# EAGLE board ControlModule-pan2 (EAGLE 7.2.0), part 3 of 9 (continued)
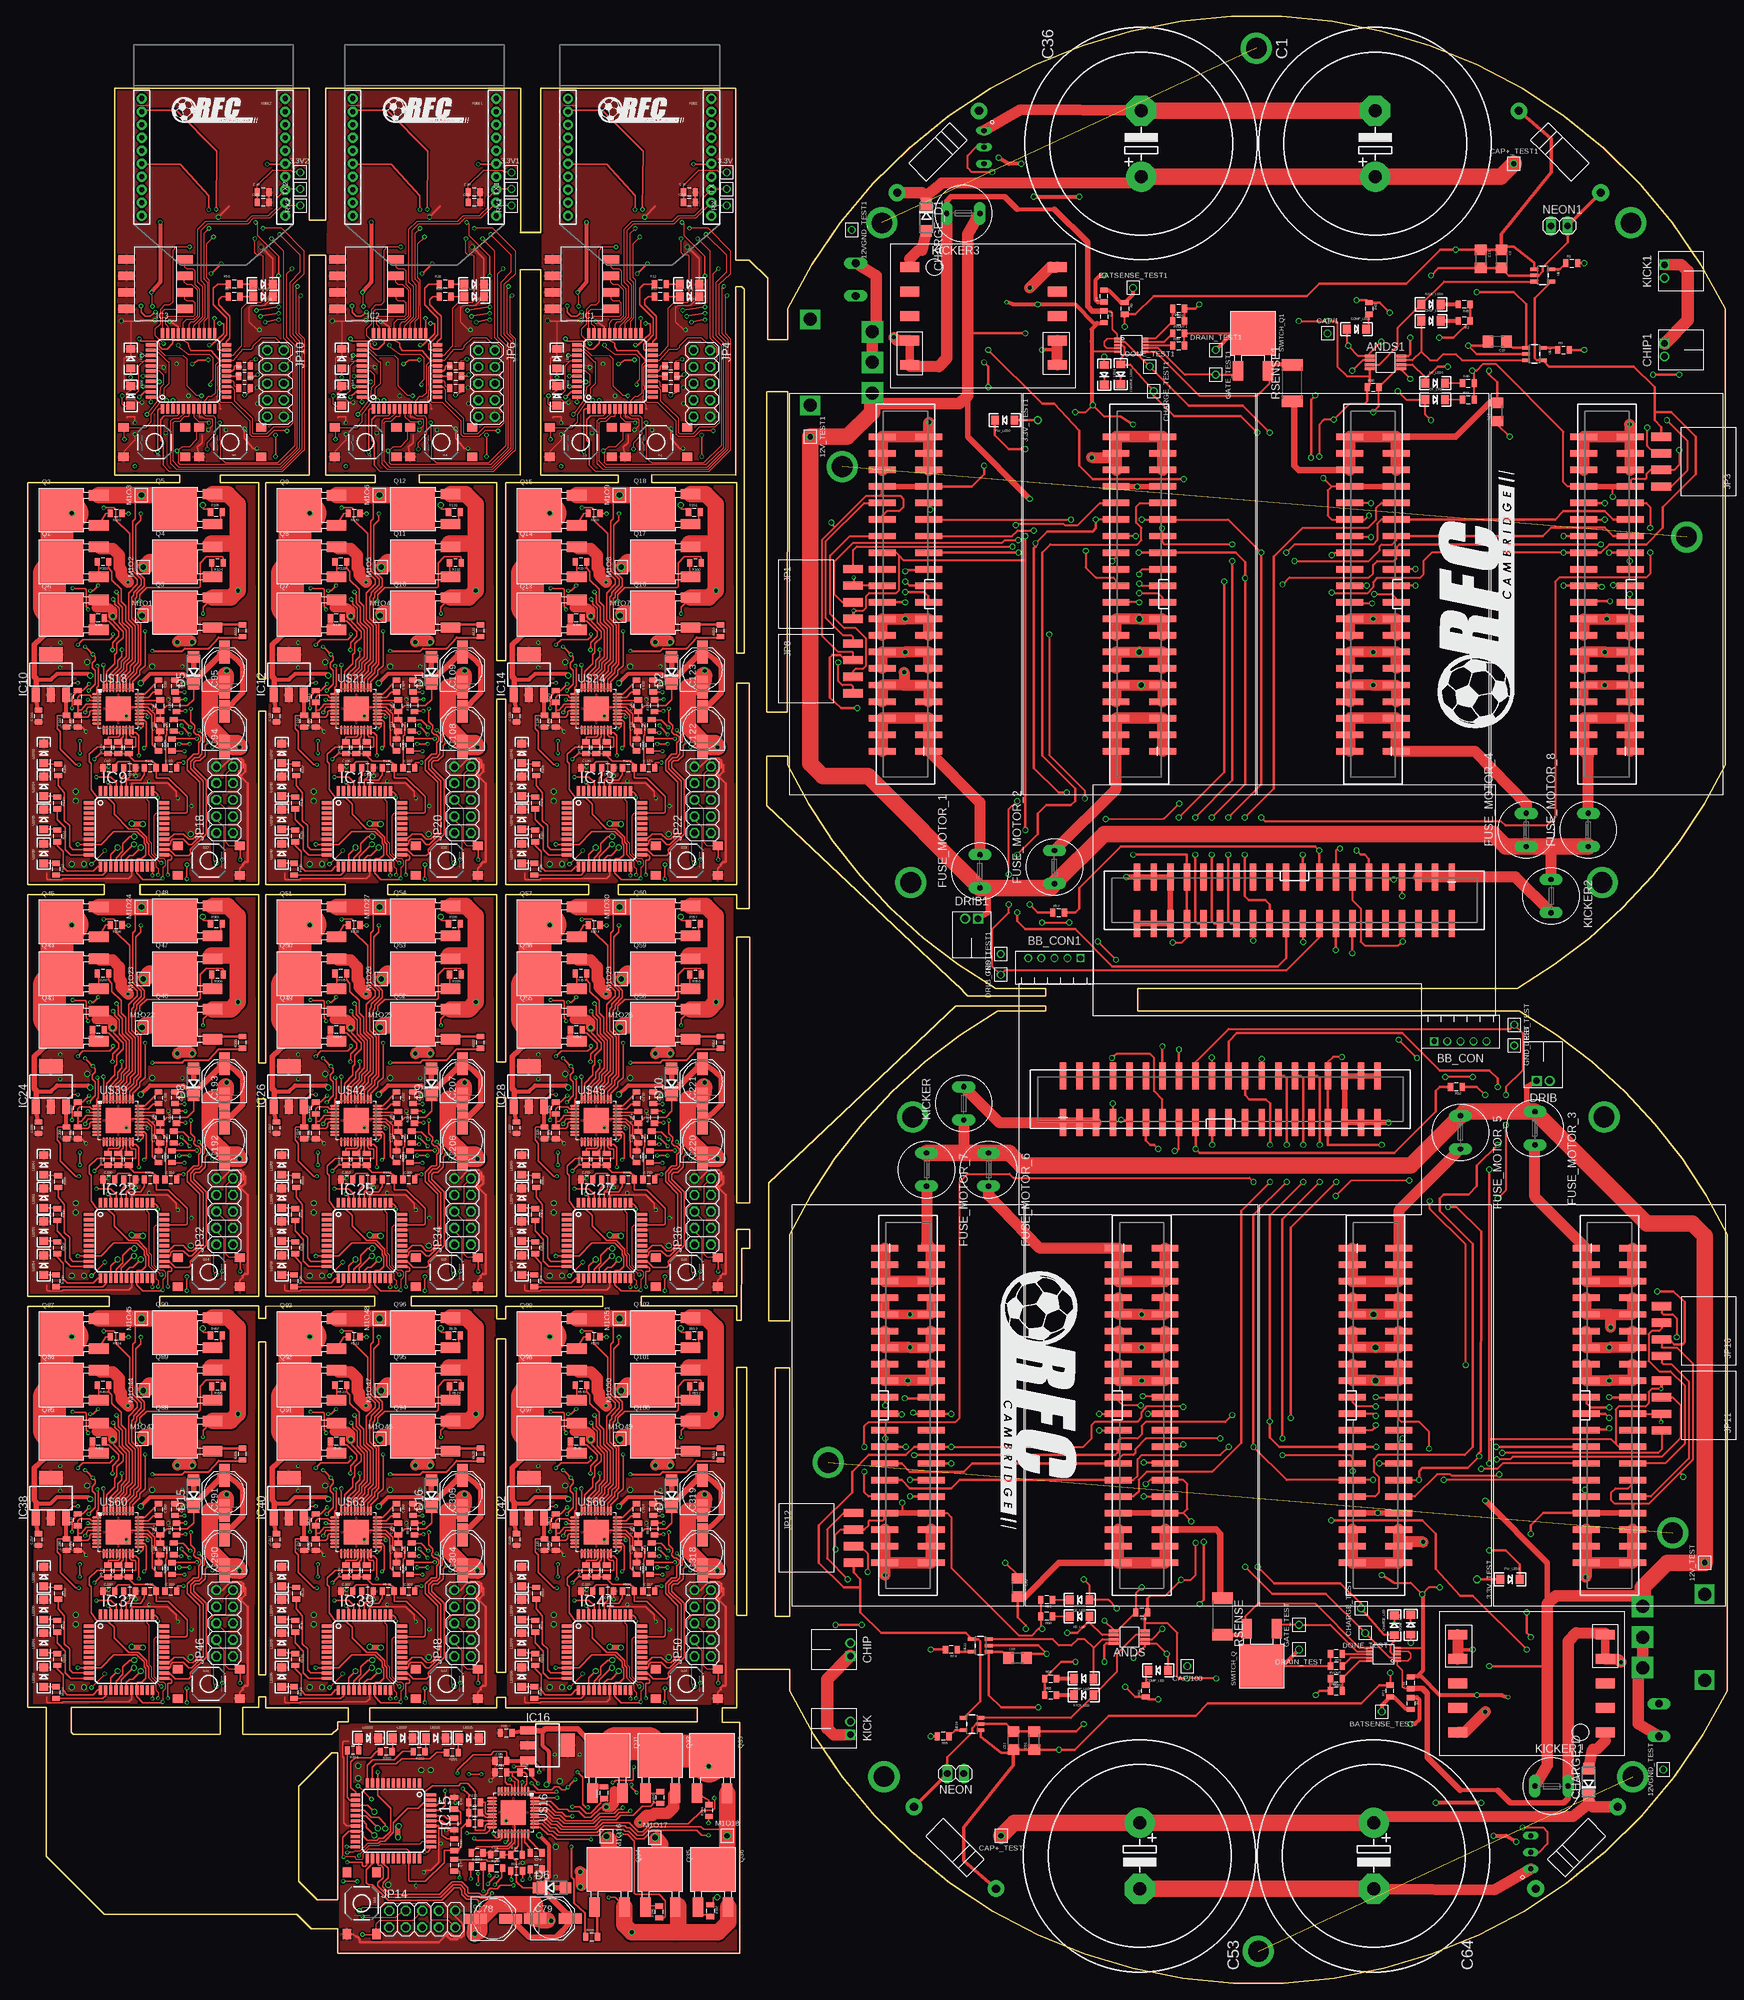
[diagram p0: board, top side]
## Tracks (layer width: path | path; a pad name or v marks a point on that pad's centre or on a via) (continued)
  Top 0.61: IC10.1 1.16,197.65 C101.2 1.32,197.01 1.32,200.03 3.54,200.03 4.49,200.98 9.26,200.98 v9.57,200.66 | v17.35,199.55 18.78,200.98 23.9,200.98 D5.C
  Top 0.813: 30.21,195.11 C94.+ 33.01,198.04 33.01,202.15 31.96,203.2 30.55,204.29 C95.+ 29.42,204.16 29.42,203.75 25.42,199.75 D5.C | Q6.DRAIN 5.13,209.24 1,205.43 1,200.5 1.32,200.19 1.32,200.03 1.32,198.11 IC10.1
  Top 5.08: Q6.DRAIN 4.54,210.03 3.31,211.27 3.31,216.31 Q1.DRAIN 5.13,219.11 4.45,219.79 4.45,225.38 Q2.DRAIN 5.66,225.53 v6.76,225.58
  Bottom 0.61: v9.57,200.66 9.57,200.5 10.53,199.55 v17.35,199.55
  Bottom 0.813: JP17.5 JP17.3 JP17.1 | JP17.6 JP17.4 | JP17.2 13.65,223.18 13.65,221.14
  Bottom 5.08: v6.76,225.58 7.62,225.17 8.37,225.17 12.4,221.14 JP17.4 13.65,221.14 JP17.3
12V9  (via drill 0.6)
  Top 0.254: C112.1 C114.2 57.84,192.91 57.84,191.63 57.64,191.43 57.64,186.6 C107.1 57.57,186.64 57.52,186.69 | U$21.27 55.45,196.33 C112.1 | C112.1 56.93,195.16 57.83,196.06 61.01,196.06 61.96,197.01 61.96,199.43 D1.C
  Top 0.61: IC12.1 37.67,197.65 C115.2 37.83,197.01 37.83,200.03 40.05,200.03 41.01,200.98 45.77,200.98 v46.09,200.66 | v53.86,199.55 55.29,200.98 60.41,200.98 D1.C
  Top 0.813: 66.72,195.11 C108.+ 69.52,198.04 69.52,202.15 68.47,203.2 67.07,204.29 C109.+ 65.93,204.16 65.93,203.75 61.93,199.75 D1.C | Q7.DRAIN 41.64,209.24 37.51,205.43 37.51,200.5 37.83,200.19 37.83,200.03 37.83,198.11 IC12.1
  Top 5.08: Q7.DRAIN 41.06,210.03 39.82,211.27 39.82,216.31 Q8.DRAIN 41.64,219.11 40.96,219.79 40.96,225.38 Q9.DRAIN 42.17,225.53 v43.27,225.58
  Bottom 0.61: v46.09,200.66 46.09,200.5 47.04,199.55 v53.86,199.55
  Bottom 0.813: JP19.5 JP19.3 JP19.1 | JP19.6 JP19.4 | JP19.2 50.16,223.18 50.16,221.14
  Bottom 5.08: v43.27,225.58 44.13,225.17 44.89,225.17 48.91,221.14 JP19.4 50.16,221.14 JP19.3
12V10  (via drill 0.6)
  Top 0.254: C126.1 C128.2 94.67,192.91 94.67,191.63 94.47,191.43 94.47,186.6 C121.1 94.4,186.64 94.35,186.69 | U$24.27 92.28,196.33 C126.1 | C126.1 93.76,195.16 94.66,196.06 97.84,196.06 98.79,197.01 98.79,199.43 D2.C
  Top 0.61: IC14.1 74.5,197.65 C129.2 74.66,197.01 74.66,200.03 76.88,200.03 77.84,200.98 82.6,200.98 v82.92,200.66 | v90.69,199.55 92.12,200.98 97.24,200.98 D2.C
  Top 0.813: 103.55,195.11 C122.+ 106.35,198.04 106.35,202.15 105.3,203.2 103.9,204.29 C123.+ 102.76,204.16 102.76,203.75 98.76,199.75 D2.C | Q13.DRAIN 78.47,209.24 74.34,205.43 74.34,200.5 74.66,200.19 74.66,200.03 74.66,198.11 IC14.1
  Top 5.08: Q13.DRAIN 77.89,210.03 76.65,211.27 76.65,216.31 Q14.DRAIN 78.47,219.11 77.79,219.79 77.79,225.38 Q15.DRAIN 79,225.53 v80.1,225.58
  Bottom 0.61: v82.92,200.66 82.92,200.5 83.87,199.55 v90.69,199.55
  Bottom 0.813: JP21.5 JP21.3 JP21.1 | JP21.6 JP21.4 | JP21.2 86.99,223.18 86.99,221.14
  Bottom 5.08: v80.1,225.58 80.96,225.17 81.72,225.17 85.74,221.14 JP21.4 86.99,221.14 JP21.3
12V15  (via drill 0.6)
  Top 0.254: C196.1 C198.2 21.33,129.73 21.33,128.45 21.12,128.25 21.12,123.42 C191.1 21.06,123.46 21,123.51 | U$39.27 18.94,133.15 C196.1 | C196.1 20.42,131.98 21.32,132.88 24.5,132.88 25.45,133.83 25.45,136.25 D8.C
  Top 0.61: IC24.1 1.16,134.47 C199.2 1.32,133.83 1.32,136.85 3.54,136.85 4.49,137.8 9.26,137.8 v9.57,137.48 | v17.35,136.37 18.78,137.8 23.9,137.8 D8.C
  Top 0.813: 30.21,131.92 C192.+ 33.01,134.85 33.01,138.97 31.96,140.02 30.55,141.11 C193.+ 29.42,140.97 29.42,140.56 25.42,136.57 D8.C | Q43.DRAIN 5.13,146.05 1,142.24 1,137.32 1.32,137 1.32,136.85 1.32,134.93 IC24.1
  Top 5.08: Q43.DRAIN 4.54,146.85 3.31,148.08 3.31,153.12 Q44.DRAIN 5.13,155.93 4.45,156.61 4.45,162.2 Q45.DRAIN 5.66,162.35 v6.76,162.4
  Bottom 0.61: v9.57,137.48 9.57,137.32 10.53,136.37 v17.35,136.37
  Bottom 0.813: JP31.5 JP31.3 JP31.1 | JP31.6 JP31.4 | JP31.2 13.65,160 13.65,157.96
  Bottom 5.08: v6.76,162.4 7.62,161.98 8.37,161.98 12.4,157.96 JP31.4 13.65,157.96 JP31.3
12V16  (via drill 0.6)
  Top 0.254: C210.1 C212.2 57.84,129.73 57.84,128.45 57.64,128.25 57.64,123.42 C205.1 57.57,123.46 57.52,123.51 | U$42.27 55.45,133.15 C210.1 | C210.1 56.93,131.98 57.83,132.88 61.01,132.88 61.96,133.83 61.96,136.25 D9.C
  Top 0.61: IC26.1 37.67,134.47 C213.2 37.83,133.83 37.83,136.85 40.05,136.85 41.01,137.8 45.77,137.8 v46.09,137.48 | v53.86,136.37 55.29,137.8 60.41,137.8 D9.C
  Top 0.813: 66.72,131.92 C206.+ 69.52,134.85 69.52,138.97 68.47,140.02 67.07,141.11 C207.+ 65.93,140.97 65.93,140.56 61.93,136.57 D9.C | Q49.DRAIN 41.64,146.05 37.51,142.24 37.51,137.32 37.83,137 37.83,136.85 37.83,134.93 IC26.1
  Top 5.08: Q49.DRAIN 41.06,146.85 39.82,148.08 39.82,153.12 Q50.DRAIN 41.64,155.93 40.96,156.61 40.96,162.2 Q51.DRAIN 42.17,162.35 v43.27,162.4
  Bottom 0.61: v46.09,137.48 46.09,137.32 47.04,136.37 v53.86,136.37
  Bottom 0.813: JP33.5 JP33.3 JP33.1 | JP33.6 JP33.4 | JP33.2 50.16,160 50.16,157.96
  Bottom 5.08: v43.27,162.4 44.13,161.98 44.89,161.98 48.91,157.96 JP33.4 50.16,157.96 JP33.3
12V17  (via drill 0.6)
  Top 0.254: C224.1 C226.2 94.67,129.73 94.67,128.45 94.47,128.25 94.47,123.42 C219.1 94.4,123.46 94.35,123.51 | U$45.27 92.28,133.15 C224.1 | C224.1 93.76,131.98 94.66,132.88 97.84,132.88 98.79,133.83 98.79,136.25 D10.C
  Top 0.61: IC28.1 74.5,134.47 C227.2 74.66,133.83 74.66,136.85 76.88,136.85 77.84,137.8 82.6,137.8 v82.92,137.48 | v90.69,136.37 92.12,137.8 97.24,137.8 D10.C
  Top 0.813: 103.55,131.92 C220.+ 106.35,134.85 106.35,138.97 105.3,140.02 103.9,141.11 C221.+ 102.76,140.97 102.76,140.56 98.76,136.57 D10.C | Q55.DRAIN 78.47,146.05 74.34,142.24 74.34,137.32 74.66,137 74.66,136.85 74.66,134.93 IC28.1
  Top 5.08: Q55.DRAIN 77.89,146.85 76.65,148.08 76.65,153.12 Q56.DRAIN 78.47,155.93 77.79,156.61 77.79,162.2 Q57.DRAIN 79,162.35 v80.1,162.4
  Bottom 0.61: v82.92,137.48 82.92,137.32 83.87,136.37 v90.69,136.37
  Bottom 0.813: JP35.5 JP35.3 JP35.1 | JP35.6 JP35.4 | JP35.2 86.99,160 86.99,157.96
  Bottom 5.08: v80.1,162.4 80.96,161.98 81.72,161.98 85.74,157.96 JP35.4 86.99,157.96 JP35.3
12V22  (via drill 0.6)
  Top 0.254: C294.1 C296.2 21.33,66.55 21.33,65.27 21.12,65.07 21.12,60.24 C289.1 21.06,60.28 21,60.33 | U$60.27 18.94,69.97 C294.1 | C294.1 20.42,68.79 21.32,69.69 24.5,69.69 25.45,70.65 25.45,73.07 D15.C
  Top 0.61: IC38.1 1.16,71.29 C297.2 1.32,70.65 1.32,73.66 3.54,73.66 4.49,74.62 9.26,74.62 v9.57,74.3 | v17.35,73.19 18.78,74.62 23.9,74.62 D15.C
  Top 0.813: 30.21,68.74 C290.+ 33.01,71.67 33.01,75.78 31.96,76.84 30.55,77.92 C291.+ 29.42,77.79 29.42,77.38 25.42,73.38 D15.C | Q85.DRAIN 5.13,82.87 1,79.06 1,74.14 1.32,73.82 1.32,73.66 1.32,71.75 IC38.1
  Top 5.08: Q85.DRAIN 4.54,83.66 3.31,84.9 3.31,89.94 Q86.DRAIN 5.13,92.74 4.45,93.42 4.45,99.02 Q87.DRAIN 5.66,99.17 v6.76,99.22
  Bottom 0.61: v9.57,74.3 9.57,74.14 10.53,73.19 v17.35,73.19
  Bottom 0.813: JP45.5 JP45.3 JP45.1 | JP45.6 JP45.4 | JP45.2 13.65,96.82 13.65,94.78
  Bottom 5.08: v6.76,99.22 7.62,98.8 8.37,98.8 12.4,94.78 JP45.4 13.65,94.78 JP45.3
12V23  (via drill 0.6)
  Top 0.254: C308.1 C310.2 57.84,66.55 57.84,65.27 57.64,65.07 57.64,60.24 C303.1 57.57,60.28 57.52,60.33 | U$63.27 55.45,69.97 C308.1 | C308.1 56.93,68.79 57.83,69.69 61.01,69.69 61.96,70.65 61.96,73.07 D16.C
  Top 0.61: IC40.1 37.67,71.29 C311.2 37.83,70.65 37.83,73.66 40.05,73.66 41.01,74.62 45.77,74.62 v46.09,74.3 | v53.86,73.19 55.29,74.62 60.41,74.62 D16.C
  Top 0.813: 66.72,68.74 C304.+ 69.52,71.67 69.52,75.78 68.47,76.84 67.07,77.92 C305.+ 65.93,77.79 65.93,77.38 61.93,73.38 D16.C | Q91.DRAIN 41.64,82.87 37.51,79.06 37.51,74.14 37.83,73.82 37.83,73.66 37.83,71.75 IC40.1
  Top 5.08: Q91.DRAIN 41.06,83.66 39.82,84.9 39.82,89.94 Q92.DRAIN 41.64,92.74 40.96,93.42 40.96,99.02 Q93.DRAIN 42.17,99.17 v43.27,99.22
  Bottom 0.61: v46.09,74.3 46.09,74.14 47.04,73.19 v53.86,73.19
  Bottom 0.813: JP47.5 JP47.3 JP47.1 | JP47.6 JP47.4 | JP47.2 50.16,96.82 50.16,94.78
  Bottom 5.08: v43.27,99.22 44.13,98.8 44.89,98.8 48.91,94.78 JP47.4 50.16,94.78 JP47.3
12V24  (via drill 0.6)
  Top 0.254: C322.1 C324.2 94.67,66.55 94.67,65.27 94.47,65.07 94.47,60.24 C317.1 94.4,60.28 94.35,60.33 | U$66.27 92.28,69.97 C322.1 | C322.1 93.76,68.79 94.66,69.69 97.84,69.69 98.79,70.65 98.79,73.07 D17.C
  Top 0.61: IC42.1 74.5,71.29 C325.2 74.66,70.65 74.66,73.66 76.88,73.66 77.84,74.62 82.6,74.62 v82.92,74.3 | v90.69,73.19 92.12,74.62 97.24,74.62 D17.C
  Top 0.813: 103.55,68.74 C318.+ 106.35,71.67 106.35,75.78 105.3,76.84 103.9,77.92 C319.+ 102.76,77.79 102.76,77.38 98.76,73.38 D17.C | Q97.DRAIN 78.47,82.87 74.34,79.06 74.34,74.14 74.66,73.82 74.66,73.66 74.66,71.75 IC42.1
  Top 5.08: Q97.DRAIN 77.89,83.66 76.65,84.9 76.65,89.94 Q98.DRAIN 78.47,92.74 77.79,93.42 77.79,99.02 Q99.DRAIN 79,99.17 v80.1,99.22
  Bottom 0.61: v82.92,74.3 82.92,74.14 83.87,73.19 v90.69,73.19
  Bottom 0.813: JP49.5 JP49.3 JP49.1 | JP49.6 JP49.4 | JP49.2 86.99,96.82 86.99,94.78
  Bottom 5.08: v80.1,99.22 80.96,98.8 81.72,98.8 85.74,94.78 JP49.4 86.99,94.78 JP49.3
12V-KICKER  (via drill 0.6)
  Top 0.254: CHARGE_U.P$4 211.8,50.95 212.18,50.57 212.18,49.93 211.7,49.45 CHARGE_U.P$1 210.13,48.81 210.91,48.03 210.91,45.49 211.18,45.22 C55.1
  Top 0.61: 225.52,29.61 219.8,29.61
  Top 0.813: 236.31,52.47 236.31,28.34 235.68,27.71 227.42,27.71 225.52,29.61 | 219.8,29.61 214.72,34.69 214.72,44.48 213.98,45.22 C55.1
  Top 1.27: U$33.P$4 U$33.P$5
  Top 1.676: 237.58,53.74 241.95,53.74 U$33.P$5 | U$33.P$4 243.93,49.75 v244.44,49.25
  Top 1.778: KICKER1.2 236.31,52.47 237.58,53.74
  Bottom 1.27: C60.1 C59.1 C58.1 238.22,46.76 238.85,47.39 243.3,47.39 244.44,48.53 v244.44,49.25
12V-KICKER1  (via drill 0.6)
  Top 0.254: CHARGE_U1.P$4 165.51,250.91 165.13,251.29 165.13,251.93 165.61,252.41 CHARGE_U1.P$1 167.18,253.05 166.4,253.83 166.4,256.37 166.13,256.64 C3.1
  Top 0.61: 151.79,272.25 157.51,272.25
  Top 0.813: 141,249.39 141,273.52 141.63,274.15 149.89,274.15 151.79,272.25 | 157.51,272.25 162.59,267.17 162.59,257.38 163.33,256.64 C3.1
  Top 1.27: U$2.P$4 U$2.P$5
  Top 1.676: 139.73,248.12 135.36,248.12 U$2.P$5 | U$2.P$4 133.38,252.11 v132.87,252.61
  Top 1.778: KICKER3.2 141,249.39 139.73,248.12
  Bottom 1.27: C10.1 C7.1 C6.1 139.09,255.1 138.46,254.47 134.01,254.47 132.87,253.33 v132.87,252.61
12VGND  (via drill 0.6)
  Top 0.305: COM_BOARD1.39
  Top 0.406: NEON1.2 236.25,267.17 232.44,263.36 232.44,262.72 231.8,262.09 U$7.2 227.23,262.09 C5.2 C13.2 216.43,263.23 v215.29,262.09 | U$1.2 222.28,250.02 v221.01,251.29 223.42,251.29 C37.2 | v224.18,247.48 224.18,246.98 225.45,245.71 C34.2 | v249.35,246.85 v253.39,246.85
  Top 0.508: NEON1.2 U$28.+
  Top 0.813: COM_BOARD1.39 COM_BOARD1.37 COM_BOARD1.35 COM_BOARD1.36 COM_BOARD1.38 COM_BOARD1.40 | COM_BOARD1.39 v168.54,169.77
  Top 1.016: C34.2 224.31,242.53 219.1,237.32 MOTOR7.39 | MOTOR7.40 202.83,233.12 202.59,232.24 194.97,232.24 194.34,232.88 194.34,242.46 RSENSE1.1
  Top 1.676: v153.7,260.18 156.87,263.36 U$2.P$10 | C36.- 152.31,287.49 U$9.LEFT | v163.22,234.15 166.96,234.15 | MOTOR5.39 138.22,239.46 v138.3,239.54 | MOTOR8.39 245.85,239.15 v245.77,239.23
  Top 1.778: MOTOR8.36 MOTOR8.38 MOTOR8.40 MOTOR8.39 MOTOR8.37 MOTOR8.35 | MOTOR5.36 MOTOR5.38 MOTOR5.40 MOTOR5.39 MOTOR5.37 MOTOR5.35 | MOTOR6.36 166.96,234.15 MOTOR6.38 MOTOR6.40 MOTOR6.39 MOTOR6.37 MOTOR6.35 | MOTOR7.36 MOTOR7.38 MOTOR7.40 MOTOR7.39 MOTOR7.37 MOTOR7.35
  Top 2.54: C36.- C1.-
  Bottom 0.305: 145.81,228.93 142.27,234.38 143.54,246.85 | v168.54,169.77 168.54,168.74
  Bottom 0.406: 150.08,255.45 153.7,259.07 v153.7,260.18 | v215.29,262.09 212.49,259.28 | 212.49,259.28 R15.1 | 212.49,259.28 220.48,251.29 v221.01,251.29 221.01,250.66 v224.18,247.48 | 150.08,255.45 150.08,248.31 148.62,246.85 143.54,246.85 139.09,251.29 131.79,251.21 131.79,256.21 128.26,256.41 BATT1.2 | 150.08,255.45 150.08,255.55 143.36,262.26 U$10.3 | R49.2 150.52,276.06 149.89,276.69 149.89,282.41 R47.2 148.94,282.35 147.98,280.5 145.44,280.5 144.81,281.14 144.81,283.04 146.08,284.31 U$9.LEFT | KICK_Q3.SOURCE 248.91,250.69 248.95,250.66 248.95,247.48 v249.35,246.85 | v253.39,246.85 253.39,248.12
  Bottom 0.61: C39.2 C38.2 145.81,228.93 C11.2 | NEON1.2 240.69,269.71 245.74,264.66 KICK_Q2.SOURCE
  Bottom 0.813: C10.2 C7.2 | C7.2 C6.2 | C7.2 136.42,266.03 135.28,267.17 127.03,267.17 126.39,267.8 12VGND_TEST1.P$1 | 3.3REG3.DRAIN v163.22,234.15
  Bottom 1.016: BATT1.2 127.03,257.68 128.3,256.37 131.79,256.21 136.55,256.37 C6.2
  Bottom 1.676: v153.7,260.18 162.59,269.07 175.92,269.07 192.34,285.49 204.82,285.49 C1.- | v138.3,239.54 136.55,239.54 136.47,239.47 | v245.77,239.23 244.5,239.23
  pour Bottom (isolate 0.305): 117.19,301.77 263.55,303.36 262.6,154.14 117.82,153.82
12VGND1  (via drill 0.38, 0.41, 0.41 pad 0.25)
  Top 0.178: 93.41,245.67 v93.41,245.35 93.41,245.75 93.79,246.13 93.79,249.51 93.34,249.93 93.34,249.95 90.12,249.94 88.48,251.17 v88.49,251.39
  Top 0.254: v82.77,257.42 82.77,256.47 83.4,255.83 84.2,255.83 v84.99,256.47
  Bottom 0.152: U$4.1 84.44,241.54 86.31,243.49 88.46,243.49 89.55,242.34
  Bottom 0.178: 93.41,242.34 v93.41,245.35 | v88.49,251.39 87.77,251.07 87.13,251.07 | 89.55,242.34 JP2.36
  Bottom 0.254: 3.3REG.DRAIN 83.72,261.39 82.77,260.44 v82.77,257.42 | v84.99,256.47 86.23,256.47 C19.2 86.45,256.47 87.37,256.47 87.85,255.99 87.85,252.82 87.16,252.13 C20.2
  Bottom 0.406: 87.13,251.07 87.13,250.99 C20.2
  Bottom 0.61: C20.2 C21.2
  Bottom 0.813: JP2.39 JP2.37 JP2.35 93.41,242.34 JP2.36 JP2.38 JP2.40
12VGND2  (via drill 0.38, 0.41, 0.41 pad 0.25)
  Top 0.178: 60.39,245.67 v60.39,245.35 60.39,245.75 60.77,246.13 60.77,249.51 60.32,249.93 60.32,249.95 57.1,249.94 55.46,251.17 v55.47,251.39
  Top 0.254: v49.75,257.42 49.75,256.47 50.38,255.83 51.18,255.83 v51.97,256.47
  Bottom 0.152: U$6.1 51.42,241.54 53.29,243.49 55.44,243.49 56.53,242.34
  Bottom 0.178: 60.39,242.34 v60.39,245.35 | v55.47,251.39 54.75,251.07 54.11,251.07 | 56.53,242.34 JP5.36
  Bottom 0.254: 3.3REG1.DRAIN 50.7,261.39 49.75,260.44 v49.75,257.42 | v51.97,256.47 53.21,256.47 C30.2 53.43,256.47 54.35,256.47 54.83,255.99 54.83,252.82 54.14,252.13 C31.2
  Bottom 0.406: 54.11,251.07 54.11,250.99 C31.2
  Bottom 0.61: C31.2 C32.2
  Bottom 0.813: JP5.39 JP5.37 JP5.35 60.39,242.34 JP5.36 JP5.38 JP5.40
12VGND3  (via drill 0.38, 0.41, 0.41 pad 0.25)
  Top 0.178: 28,245.67 v28,245.35 28,245.75 28.38,246.13 28.38,249.51 27.94,249.93 27.94,249.95 24.72,249.94 23.08,251.17 v23.08,251.39
  Top 0.254: v17.36,257.42 17.36,256.47 18,255.83 18.79,255.83 v19.59,256.47
  Bottom 0.152: U$31.1 19.04,241.54 20.9,243.49 23.06,243.49 24.14,242.34
  Bottom 0.178: 28,242.34 v28,245.35 | v23.08,251.39 22.36,251.07 21.73,251.07 | 24.14,242.34 JP9.36
  Bottom 0.254: 3.3REG2.DRAIN 18.32,261.39 17.36,260.44 v17.36,257.42 | v19.59,256.47 20.83,256.47 C47.2 21.04,256.47 21.97,256.47 22.44,255.99 22.44,252.82 21.76,252.13 C48.2
  Bottom 0.406: 21.73,251.07 21.73,250.99 C48.2
  Bottom 0.61: C48.2 C49.2
  Bottom 0.813: JP9.39 JP9.37 JP9.35 28,242.34 JP9.36 JP9.38 JP9.40
12VGND4  (via drill 0.6)
  Top 0.305: COM_BOARD.39
  Top 0.406: NEON.2 141.06,34.69 144.87,38.5 144.87,39.14 145.51,39.77 U$34.2 150.08,39.77 C57.2 C61.2 160.88,38.63 v162.02,39.77 | U$32.2 155.03,51.84 v156.3,50.57 153.89,50.57 C65.2 | v153.13,54.38 153.13,54.88 151.86,56.15 C62.2 | v127.97,55.01 v123.92,55.01
  Top 0.508: NEON.2 U$52.+
  Top 0.813: COM_BOARD.39 COM_BOARD.37 COM_BOARD.35 COM_BOARD.36 COM_BOARD.38 COM_BOARD.40 | COM_BOARD.39 v208.77,132.09
  Top 1.016: C62.2 153,59.33 158.21,64.54 MOTOR3.39 | MOTOR3.40 174.48,68.75 174.72,69.62 182.34,69.62 182.97,68.98 182.97,59.4 RSENSE.1
  Top 1.676: v223.61,41.68 220.44,38.5 U$33.P$10 | C64.- 225,14.37 U$36.LEFT | v214.09,67.71 210.35,67.71 | MOTOR1.39 239.09,62.4 v239.01,62.32 | MOTOR4.39 131.46,62.71 v131.54,62.63
  Top 1.778: MOTOR4.36 MOTOR4.38 MOTOR4.40 MOTOR4.39 MOTOR4.37 MOTOR4.35 | MOTOR1.36 MOTOR1.38 MOTOR1.40 MOTOR1.39 MOTOR1.37 MOTOR1.35 | MOTOR2.36 210.35,67.71 MOTOR2.38 MOTOR2.40 MOTOR2.39 MOTOR2.37 MOTOR2.35 | MOTOR3.36 MOTOR3.38 MOTOR3.40 MOTOR3.39 MOTOR3.37 MOTOR3.35
  Top 2.54: C64.- C53.-
  Bottom 0.305: 231.5,72.93 235.04,67.48 233.77,55.01 | v208.77,132.09 208.77,133.12
  Bottom 0.406: 227.23,46.41 223.61,42.79 v223.61,41.68 | v162.02,39.77 164.82,42.58 | 164.82,42.58 R70.1 | 164.82,42.58 156.83,50.57 v156.3,50.57 156.3,51.2 v153.13,54.38 | 227.23,46.41 227.23,53.55 228.69,55.01 233.77,55.01 238.22,50.57 245.52,50.65 245.52,45.65 249.05,45.45 BATT.2 | 227.23,46.41 227.23,46.31 233.95,39.6 U$37.3 | R89.2 226.79,25.8 227.42,25.17 227.42,19.45 R87.2 228.37,19.51 229.33,21.36 231.87,21.36 232.5,20.72 232.5,18.82 231.23,17.55 U$36.LEFT | KICK_Q1.SOURCE 128.4,51.17 128.36,51.2 128.36,54.38 v127.97,55.01 | v123.92,55.01 123.92,53.74
  Bottom 0.61: C67.2 C66.2 231.5,72.93 C51.2 | NEON.2 136.62,32.15 131.57,37.2 KICK_Q.SOURCE
  Bottom 0.813: C60.2 C59.2 | C59.2 C58.2 | C59.2 240.89,35.83 242.03,34.69 250.28,34.69 250.92,34.06 12VGND_TEST.P$1 | 3.3REG4.DRAIN v214.09,67.71
  Bottom 1.016: BATT.2 250.28,44.18 249.01,45.49 245.52,45.65 240.76,45.49 C58.2
  Bottom 1.676: v223.61,41.68 214.72,32.79 201.39,32.79 184.97,16.37 172.49,16.37 C53.- | v239.01,62.32 240.76,62.32 240.84,62.4 | v131.54,62.63 132.81,62.63
  pour Bottom (isolate 0.305): 262.98,1.67 117.57,0.72 117.57,150.58 261.08,151.53
12VGND6  (via drill 0.3, 0.41, 0.6)
  Top 0.178: v50.66,30.27 52.67,28.25 v52.75,28.25
  Top 0.254: C78.- 68.65,9.87 v68.62,11.75 | v66.24,16.2 66.24,17.15 65.5,17.15 C77.2
  Top 0.813: C78.- 68.59,8.76 68.62,8.58 69.26,7.94 | 77.67,10.16 C79.- | D6.A 80.4,14.64 v80.37,14.61 | v56.79,22.4 56.79,23.98 v56.9,24.11 | 79.68,9.66 79.79,9.55 v80.32,9.55 80.37,9.6 80.37,10
  Top 2.54: 68.62,8.58 68.62,8.46 v68.59,7.58 | 69.26,7.94 69.26,9.64 71.75,12.11 77.8,12.11 C79.- 78.7,9.91 78.92,9.69 79.56,9.69 79.6,9.65 79.63,9.65 79.63,9.66 79.68,9.66
  Bottom 0.152: 59.41,21.91 59.36,21.91 59.35,21.9
  Bottom 0.178: U$26.1 51.56,32.97 51.56,30.8 51.04,30.27 v50.66,30.27
  Bottom 0.254: v68.62,11.75 67.51,11.75 66.56,12.7 66.56,15.08 66.24,15.4 v66.24,16.2 | JP13.37 56.8,19.85 | JP13.39 53.58,19.77 53.54,19.74 | JP13.35 59.41,21.12 59.35,21.19
  Bottom 0.406: JP13.36 59.41,26.87 58.6,26.87
  Bottom 0.813: JP13.38 JP13.40 54.42,28.42 54.33,28.42 54.33,27.92 54.33,26.99 | v80.37,14.61 80.37,10 80.32,9.96 v80.32,9.55 | 54.17,19.85 54.33,19.69 JP13.39 53.73,19.17 53.26,19.17 | 57.62,26.86 57.62,26.91 JP13.38 | 55.15,26.85 55.15,26.77 54.41,26.77 | 56.8,19.85 v56.8,22.39 v56.79,22.4 | v56.9,24.11 56.76,26.8 JP13.38
  Bottom 2.54: 58.6,26.87 58.6,26.86 57.62,26.86 | 56.87,26.99 JP13.38 56.87,26.85 55.15,26.85 | 53.54,19.74 52.39,20.61 51.25,21.54 51.25,27.41 52.09,28.25 v52.75,28.25 54,28.25 54.33,27.92 | 59.35,21.19 59.35,21.9 59.35,22.36 | 59.41,21.91 JP13.36 | 53.26,19.17 53.25,19.14 53.25,7.67 54.54,6.37 67.38,6.37 v68.59,7.58 | v80.32,9.55 80.2,8.41 80.2,8.03 80.53,7.7 83.52,7.7 84.11,8.29 R216.1
12VGND8  (via drill 0.3, 0.41, 0.6)
  Top 0.178: v9.78,171.75 11.8,173.76 v11.8,173.83
  Top 0.254: C94.- 30.18,189.74 v28.31,189.71 | v23.86,187.33 22.91,187.33 22.91,186.59 C93.2
  Top 0.813: C94.- 31.29,189.68 31.48,189.71 32.12,190.34 | 29.89,198.76 C95.- | D5.A 25.42,201.48 v25.45,201.46 | v17.66,177.88 16.08,177.88 v15.94,177.99 | 30.4,200.77 30.5,200.88 v30.5,201.41 30.46,201.46 30.05,201.46
  Top 2.54: 31.48,189.71 31.59,189.71 v32.48,189.68 | 32.12,190.34 30.42,190.34 27.94,192.84 27.94,198.89 C95.- 30.14,199.78 30.37,200.01 30.37,200.65 30.4,200.69 30.4,200.72 30.4,200.77
  Bottom 0.152: 18.15,180.5 18.15,180.45 18.15,180.44
  Bottom 0.178: U$19.1 7.08,172.65 9.26,172.65 9.78,172.13 v9.78,171.75
  Bottom 0.254: v28.31,189.71 28.31,188.6 27.35,187.65 24.97,187.65 24.65,187.33 v23.86,187.33 | JP17.37 20.21,177.89 | JP17.39 20.29,174.67 20.32,174.63 | JP17.35 18.94,180.5 18.87,180.44
  Bottom 0.406: JP17.36 13.19,180.5 13.19,179.69
  Bottom 0.813: JP17.38 JP17.40 11.64,175.5 11.64,175.42 12.13,175.42 13.07,175.42 | v25.45,201.46 30.05,201.46 30.1,201.41 v30.5,201.41 | 20.21,175.26 20.37,175.42 JP17.39 20.89,174.82 20.89,174.35 | 13.2,178.7 13.15,178.7 JP17.38 | 13.2,176.24 13.29,176.24 13.29,175.5 | 20.21,177.89 v17.67,177.89 v17.66,177.88 | v15.94,177.99 13.26,177.85 JP17.38
  Bottom 2.54: 13.19,179.69 13.2,179.69 13.2,178.7 | 13.07,177.96 JP17.38 13.2,177.96 13.2,176.24 | 20.32,174.63 19.45,173.48 18.52,172.34 12.65,172.34 11.8,173.18 v11.8,173.83 11.8,175.09 12.13,175.42 | 18.87,180.44 18.15,180.44 17.7,180.44 | 18.15,180.5 JP17.36 | 20.89,174.35 20.91,174.34 32.38,174.34 33.69,175.63 33.69,188.47 v32.48,189.68 | v30.5,201.41 31.64,201.28 32.03,201.28 32.36,201.62 32.36,204.6 31.77,205.2 R124.1
12VGND9  (via drill 0.3, 0.41, 0.6)
  Top 0.178: v46.3,171.75 48.31,173.76 v48.31,173.83
  Top 0.254: C108.- 66.69,189.74 v64.82,189.71 | v60.37,187.33 59.42,187.33 59.42,186.59 C107.2
  Top 0.813: C108.- 67.81,189.68 67.99,189.71 68.63,190.34 | 66.41,198.76 C109.- | D1.A 61.93,201.48 v61.96,201.46 | v54.17,177.88 52.59,177.88 v52.46,177.99 | 66.91,200.77 67.01,200.88 v67.01,201.41 66.97,201.46 66.56,201.46
  Top 2.54: 67.99,189.71 68.1,189.71 v68.99,189.68 | 68.63,190.34 66.93,190.34 64.45,192.84 64.45,198.89 C109.- 66.66,199.78 66.88,200.01 66.88,200.65 66.91,200.69 66.91,200.72 66.91,200.77
  Bottom 0.152: 54.66,180.5 54.66,180.45 54.67,180.44
  Bottom 0.178: U$22.1 43.6,172.65 45.77,172.65 46.3,172.13 v46.3,171.75
  Bottom 0.254: v64.82,189.71 64.82,188.6 63.87,187.65 61.48,187.65 61.17,187.33 v60.37,187.33 | JP19.37 56.72,177.89 | JP19.39 56.8,174.67 56.83,174.63 | JP19.35 55.45,180.5 55.38,180.44
  Bottom 0.406: JP19.36 49.7,180.5 49.7,179.69
  Bottom 0.813: JP19.38 JP19.40 48.15,175.5 48.15,175.42 48.65,175.42 49.58,175.42 | v61.96,201.46 66.56,201.46 66.61,201.41 v67.01,201.41 | 56.72,175.26 56.88,175.42 JP19.39 57.4,174.82 57.4,174.35 | 49.71,178.7 49.66,178.7 JP19.38 | 49.71,176.24 49.8,176.24 49.8,175.5 | 56.72,177.89 v54.18,177.89 v54.17,177.88 | v52.46,177.99 49.77,177.85 JP19.38
  Bottom 2.54: 49.7,179.69 49.71,179.69 49.71,178.7 | 49.58,177.96 JP19.38 49.71,177.96 49.71,176.24 | 56.83,174.63 55.96,173.48 55.03,172.34 49.16,172.34 48.31,173.18 v48.31,173.83 48.31,175.09 48.65,175.42 | 55.38,180.44 54.67,180.44 54.21,180.44 | 54.66,180.5 JP19.36 | 57.4,174.35 57.43,174.34 68.9,174.34 70.2,175.63 70.2,188.47 v68.99,189.68 | v67.01,201.41 68.16,201.28 68.54,201.28 68.87,201.62 68.87,204.6 68.28,205.2 R152.1
12VGND10  (via drill 0.3, 0.41, 0.6)
  Top 0.178: v83.13,171.75 85.14,173.76 v85.14,173.83
  Top 0.254: C122.- 103.52,189.74 v101.65,189.71 | v97.2,187.33 96.25,187.33 96.25,186.59 C121.2
  Top 0.813: C122.- 104.64,189.68 104.82,189.71 105.46,190.34 | 103.24,198.76 C123.- | D2.A 98.76,201.48 v98.79,201.46 | v91,177.88 89.42,177.88 v89.29,177.99 | 103.74,200.77 103.84,200.88 v103.84,201.41 103.8,201.46 103.39,201.46
  Top 2.54: 104.82,189.71 104.93,189.71 v105.82,189.68 | 105.46,190.34 103.76,190.34 101.28,192.84 101.28,198.89 C123.- 103.49,199.78 103.71,200.01 103.71,200.65 103.74,200.69 103.74,200.72 103.74,200.77
  Bottom 0.152: 91.49,180.5 91.49,180.45 91.5,180.44
  Bottom 0.178: U$25.1 80.43,172.65 82.6,172.65 83.13,172.13 v83.13,171.75
  Bottom 0.254: v101.65,189.71 101.65,188.6 100.7,187.65 98.31,187.65 98,187.33 v97.2,187.33 | JP21.37 93.55,177.89 | JP21.39 93.63,174.67 93.66,174.63 | JP21.35 92.28,180.5 92.21,180.44
  Bottom 0.406: JP21.36 86.53,180.5 86.53,179.69
  Bottom 0.813: JP21.38 JP21.40 84.98,175.5 84.98,175.42 85.48,175.42 86.41,175.42 | v98.79,201.46 103.39,201.46 103.44,201.41 v103.84,201.41 | 93.55,175.26 93.71,175.42 JP21.39 94.23,174.82 94.23,174.35 | 86.54,178.7 86.49,178.7 JP21.38 | 86.54,176.24 86.63,176.24 86.63,175.5 | 93.55,177.89 v91.01,177.89 v91,177.88 | v89.29,177.99 86.6,177.85 JP21.38
  Bottom 2.54: 86.53,179.69 86.54,179.69 86.54,178.7 | 86.41,177.96 JP21.38 86.54,177.96 86.54,176.24 | 93.66,174.63 92.79,173.48 91.86,172.34 85.99,172.34 85.14,173.18 v85.14,173.83 85.14,175.09 85.48,175.42 | 92.21,180.44 91.5,180.44 91.04,180.44 | 91.49,180.5 JP21.36 | 94.23,174.35 94.26,174.34 105.73,174.34 107.03,175.63 107.03,188.47 v105.82,189.68 | v103.84,201.41 104.99,201.28 105.37,201.28 105.7,201.62 105.7,204.6 105.11,205.2 R180.1
12VGND15  (via drill 0.3, 0.41, 0.6)
  Top 0.178: v9.78,108.56 11.8,110.58 v11.8,110.65
  Top 0.254: C192.- 30.18,126.56 v28.31,126.53 | v23.86,124.15 22.91,124.15 22.91,123.4 C191.2
  Top 0.813: C192.- 31.29,126.5 31.48,126.53 32.12,127.16 | 29.89,135.58 C193.- | D8.A 25.42,138.3 v25.45,138.27 | v17.66,114.7 16.08,114.7 v15.94,114.81 | 30.4,137.59 30.5,137.69 v30.5,138.23 30.46,138.27 30.05,138.27
  Top 2.54: 31.48,126.53 31.59,126.53 v32.48,126.49 | 32.12,127.16 30.42,127.16 27.94,129.65 27.94,135.71 C193.- 30.14,136.6 30.37,136.83 30.37,137.47 30.4,137.5 30.4,137.53 30.4,137.54 30.4,137.59
  Bottom 0.152: 18.15,117.32 18.15,117.26
  Bottom 0.178: U$40.1 7.08,109.47 9.26,109.47 9.78,108.94 v9.78,108.56
  Bottom 0.254: v28.31,126.53 28.31,125.42 27.35,124.46 24.97,124.46 24.65,124.15 v23.86,124.15 | JP31.37 20.21,114.7 | JP31.39 20.29,111.48 20.32,111.45 | JP31.35 18.94,117.32 18.87,117.26
  Bottom 0.406: JP31.36 13.19,117.32 13.19,116.5